# KiCad board AICORS_PCB.kicad_pcb (continued)
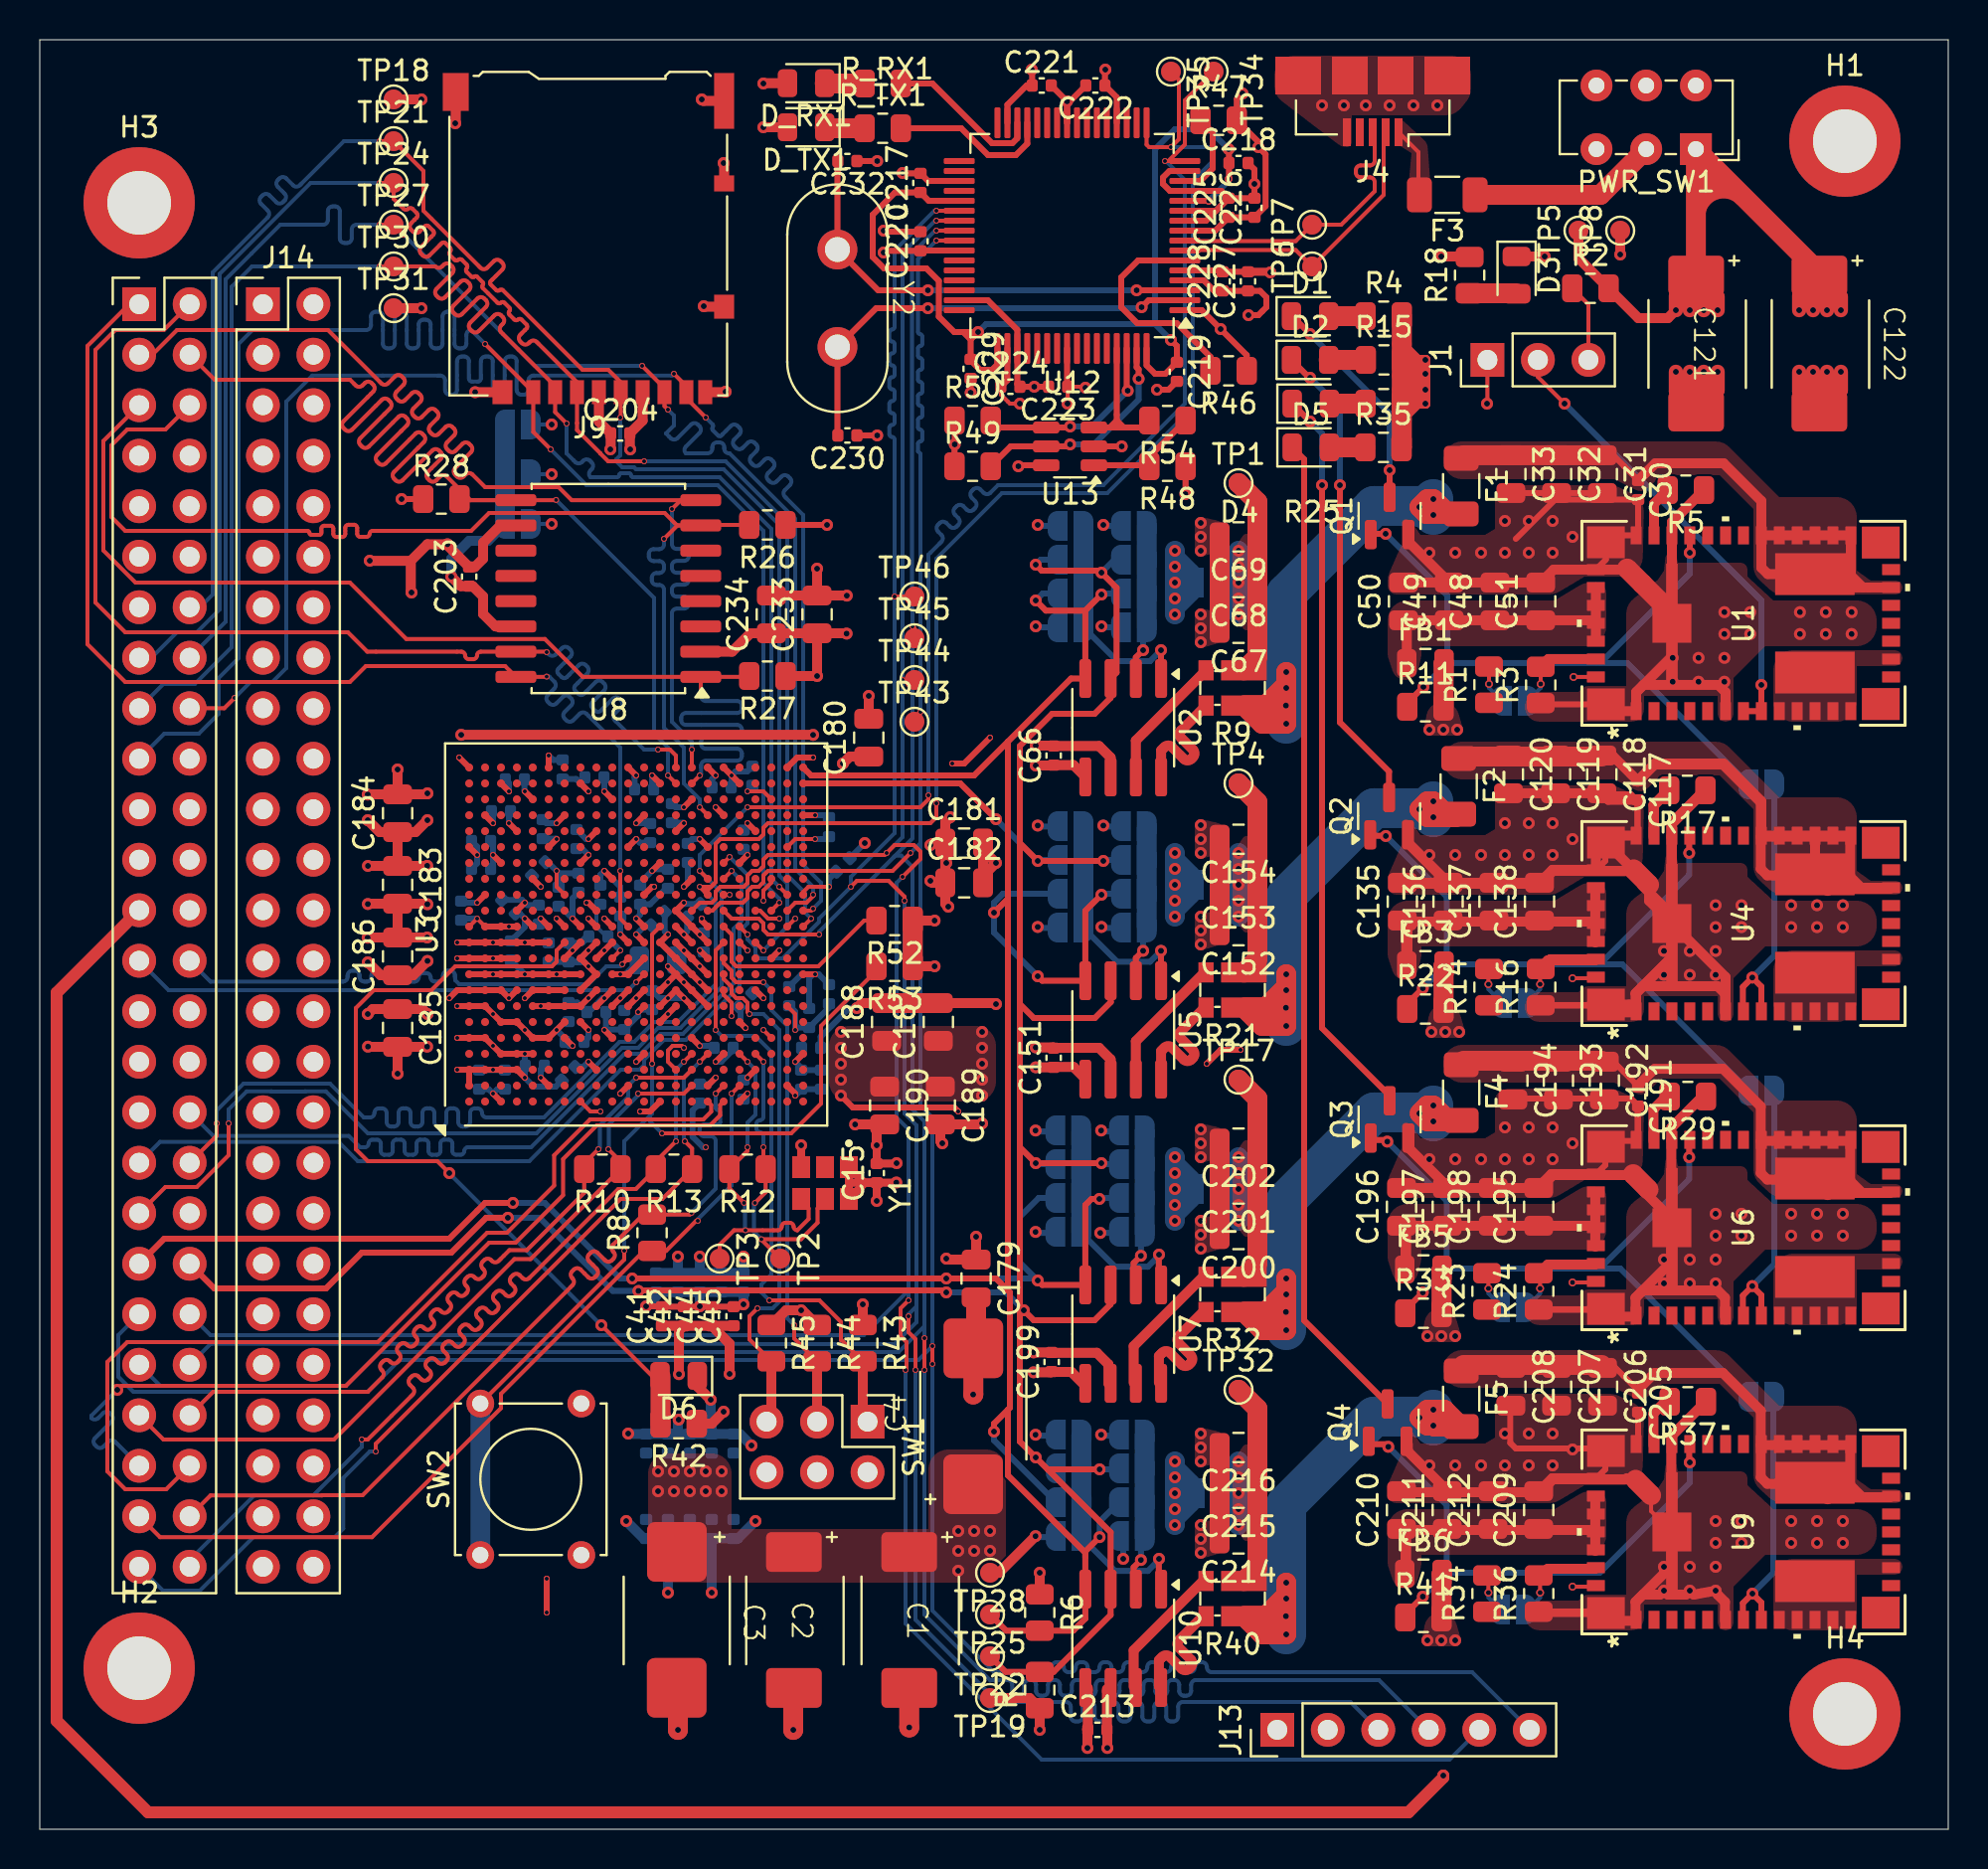
[diagram p0: board, top side]
## Placement (name value [footprint] x y rotation side) (continued)
C234  22uF  [C_0805_2012Metric]  36.8 61.1 90 top
D1  GREEN_LED  [LED_0805_2012Metric]  63.9 76.1 0 top
D2  GREEN_LED  [LED_0805_2012Metric]  63.9 73.9 0 top
D3  GREEN_LED  [LED_0805_2012Metric]  74.29 78.16 270 top
D4  GREEN_LED  [LED_0805_2012Metric]  63.94 71.7 0 top
D5  GREEN_LED  [LED_0805_2012Metric]  63.94 69.5 0 top
D6  GREEN_LED  [LED_0805_2012Metric]  32.14 22.8 180 top
D_RX1  GREEN_LED  [LED_0805_2012Metric]  38.55 87.82 180 top
D_TX1  GREEN_LED  [LED_0805_2012Metric]  38.55 85.6 180 top
F1  SF-1206F400-2  [Fuse_1206_3216Metric]  71.5 67.55 270 top
F2  SF-1206F400-2  [Fuse_1206_3216Metric]  71.38 52.45 270 top
F3  SF-1206F400-2  [Fuse_1206_3216Metric]  70.8 82.2 180 top
F4  SF-1206F400-2  [Fuse_1206_3216Metric]  71.5 37.05 270 top
F5  SF-1206F400-2  [Fuse_1206_3216Metric]  71.5 21.65 270 top
FB1  FerriteBead_Small  [Fuse_0805_2012Metric]  69.7 58.65 0 top
FB3  FerriteBead_Small  [Fuse_0805_2012Metric]  69.7 43.45 0 top
FB4  FerriteBead_Small  [Fuse_0805_2012Metric]  31.1 43.7 0 bottom
FB5  FerriteBead_Small  [Fuse_0805_2012Metric]  69.6 28.15 0 top
FB6  FerriteBead_Small  [Fuse_0805_2012Metric]  69.6 12.85 0 top
H1  MountingHole  [MountingHole_3.2mm_M3_DIN965_Pad_TopBottom]  90.8 84.9 0 top
H2  MountingHole  [MountingHole_3.2mm_M3_DIN965_Pad_TopBottom]  5 8.1 0 top
H3  MountingHole  [MountingHole_3.2mm_M3_DIN965_Pad_TopBottom]  5 81.8 0 top
H4  MountingHole  [MountingHole_3.2mm_M3_DIN965_Pad_TopBottom]  90.8 5.8 0 top
J1  Conn_01x03  [PinHeader_1x03_P2.54mm_Vertical]  72.82 73.9 90 top
J2  SW_Rotary_1x4_MP  [1-to-4 SolderJumper]  52.5 63.85 270 bottom
J3  SW_Rotary_1x4_MP  [1-to-4 SolderJumper]  55.69 63.85 270 bottom
J4  USB Micro Type B  [USB_Micro-B_Amphenol_10104110_Horizontal]  67.05 86.9 180 top
J5  SW_Rotary_1x4_MP  [1-to-4 SolderJumper]  52.5 48.75 270 bottom
J6  SW_Rotary_1x4_MP  [1-to-4 SolderJumper]  55.69 48.75 270 bottom
J7  SW_Rotary_1x4_MP  [1-to-4 SolderJumper]  52.39 33.45 270 bottom
J8  SW_Rotary_1x4_MP  [1-to-4 SolderJumper]  55.59 33.45 270 bottom
J9  DM3AT-SF-PEJM5  [microSD_HC_Hirose_DM3AT-SF-PEJM5]  27.6 80 180 top
J10  Conn_02x26_Counter_Clockwise  [PinHeader_2x26_P2.54mm_Vertical]  5 76.7 0 top
J11  SW_Rotary_1x4_MP  [1-to-4 SolderJumper]  52.41 18.15 270 bottom
J12  SW_Rotary_1x4_MP  [1-to-4 SolderJumper]  55.59 18.15 270 bottom
J13  JTAG_CONN  [PinHeader_1x06_P2.54mm_Vertical]  62.25 5 90 top
J14  Conn_02x26_Counter_Clockwise  [PinHeader_2x26_P2.54mm_Vertical]  11.23 76.7 0 top
JP1  SolderJumper_2_Open  [SolderJumper-2_P1.3mm_Open_RoundedPad1.0x1.5mm]  74.2 56.75 180 bottom
JP2  SolderJumper_2_Open  [SolderJumper-2_P1.3mm_Open_RoundedPad1.0x1.5mm]  58.7 62.7 180 bottom
JP3  SolderJumper_2_Open  [SolderJumper-2_P1.3mm_Open_RoundedPad1.0x1.5mm]  86.6 52.55 180 bottom
JP4  SolderJumper_2_Open  [SolderJumper-2_P1.3mm_Open_RoundedPad1.0x1.5mm]  74.2 41.55 180 bottom
JP5  SolderJumper_2_Open  [SolderJumper-2_P1.3mm_Open_RoundedPad1.0x1.5mm]  58.7 47.5 180 bottom
JP6  SolderJumper_2_Open  [SolderJumper-2_P1.3mm_Open_RoundedPad1.0x1.5mm]  86.6 37.15 180 bottom
JP7  SolderJumper_2_Open  [SolderJumper-2_P1.3mm_Open_RoundedPad1.0x1.5mm]  74.1 26.25 180 bottom
JP8  SolderJumper_2_Open  [SolderJumper-2_P1.3mm_Open_RoundedPad1.0x1.5mm]  24.05 65.65 0 bottom
JP9  SolderJumper_2_Open  [SolderJumper-2_P1.3mm_Open_RoundedPad1.0x1.5mm]  24.05 68.15 0 bottom
JP10  SolderJumper_2_Open  [SolderJumper-2_P1.3mm_Open_RoundedPad1.0x1.5mm]  24.05 70.65 0 bottom
JP11  SolderJumper_2_Open  [SolderJumper-2_P1.3mm_Open_RoundedPad1.0x1.5mm]  58.7 32.2 180 bottom
JP12  SolderJumper_2_Open  [SolderJumper-2_P1.3mm_Open_RoundedPad1.0x1.5mm]  86.6 21.75 180 bottom
JP13  SolderJumper_2_Open  [SolderJumper-2_P1.3mm_Open_RoundedPad1.0x1.5mm]  74.1 11.05 180 bottom
JP14  SolderJumper_2_Open  [SolderJumper-2_P1.3mm_Open_RoundedPad1.0x1.5mm]  58.75 16.9 180 bottom
NT1  SHORT  [NetTie-2_SMD_Pad2.0mm]  80.2 63.05 315 top
NT3  SHORT  [NetTie-2_SMD_Pad2.0mm#2]  80.6 47.85 315 top
NT5  SHORT  [NetTie-2_SMD_Pad2.0mm#3]  80.5 32.45 315 top
NT6  SHORT  [NetTie-2_SMD_Pad2.0mm#2]  80.7 17.15 315 top
PWR_SW1  SW_SPDT  [SW_E-Switch_EG1271_SPDT]  83.31 84.5 180 top
Q1  FDV301N  [SOT-23]  67.9 66.05 90 top
Q2  FDV301N  [SOT-23]  67.88 50.95 90 top
Q3  FDV301N  [SOT-23]  67.9 35.7 90 top
Q4  FDV301N  [SOT-23]  67.8 20.45 90 top
R1  ?  [R_0805_2012Metric]  72.9 57.57 90 top
R2  10k  [R_0805_2012Metric]  78 77.5 0 top
R3  453  [R_0805_2012Metric]  75.5 57.55 90 top
R4  1K  [R_0805_2012Metric]  67.6 76.1 0 top
R5  158k  [R_0805_2012Metric]  82.8 67.35 180 top
R6  3.3k  [R_0805_2012Metric]  50.3 10.9 270 top
R7  3.3k  [R_0805_2012Metric]  50.3 7 90 top
R8  100  [R_0805_2012Metric]  30.8 30 90 top
R9  0.003  [R_Shunt_Vishay_WSKW0612]  60 57.4 180 top
R10  100  [R_0805_2012Metric]  28.3 33.2 180 top
R11  10k  [R_0805_2012Metric]  69.7 56.45 0 top
R12  100  [R_0805_2012Metric]  35.6 33.2 180 top
R13  100  [R_0805_2012Metric]  31.9 33.2 180 top
R14  ?  [R_0805_2012Metric]  72.9 42.35 90 top
R15  1K  [R_0805_2012Metric]  67.61 73.9 0 top
R16  665  [R_0805_2012Metric]  75.5 42.35 90 top
R17  324k  [R_0805_2012Metric]  82.88 52.25 180 top
R18  1K  [R_0805_2012Metric]  71.93 78.16 90 top
R21  0.003  [R_Shunt_Vishay_WSKW0612]  60 42.21 180 top
R22  10k  [R_0805_2012Metric]  69.7 41.25 0 top
R23  ?  [R_0805_2012Metric]  72.8 27.05 90 top
R24  1.13k  [R_0805_2012Metric]  75.4 27.05 90 top
R25  1K  [R_0805_2012Metric]  67.6 71.7 0 top
R26  4.7k  [R_0805_2012Metric]  36.6 65.6 180 top
R27  4.7k  [R_0805_2012Metric]  36.6 58 180 top
R28  4.7k  [R_0805_2012Metric]  20.2 66.9 0 top
R29  324k  [R_0805_2012Metric]  82.9 36.85 180 top
R32  0.003  [R_Shunt_Vishay_WSKW0612]  60 26.9 180 top
R33  10k  [R_0805_2012Metric]  69.6 25.95 0 top
R34  ?  [R_0805_2012Metric]  72.8 11.85 90 top
R35  1K  [R_0805_2012Metric]  67.59 69.5 0 top
R36  5.76  [R_0805_2012Metric]  75.4 11.85 90 top
R37  OPEN  [R_0805_2012Metric]  82.9 21.5 180 top  (not fitted)
R40  0.003  [R_Shunt_Vishay_WSKW0612]  60 11.6 180 top
R41  10k  [R_0805_2012Metric]  69.6 10.65 0 top
R42  330  [R_0805_2012Metric]  32.14 20.4 180 top
R43  1K  [R_0805_2012Metric]  41.4 24.45 270 top
R44  1K  [R_0805_2012Metric]  39.1 24.45 270 top
R45  1K  [R_0805_2012Metric]  36.8 24.45 270 top
R46  12k  [R_0805_2012Metric]  59.8 73.35 180 top
R47  1K  [R_0805_2012Metric]  59.3 85.95 0 top
R48  10k  [R_0805_2012Metric]  56.73 68.55 180 top
R49  10k  [R_0805_2012Metric]  46.93 68.55 0 top
R50  10k  [R_0805_2012Metric]  46.93 70.85 0 top
R52  4.7k  [R_0805_2012Metric]  43 45.7 180 top
R53  4.7k  [R_0805_2012Metric]  43 43.4 180 top
R54  2K  [R_0805_2012Metric]  56.73 70.85 180 top
R_RX1  330  [R_0805_2012Metric]  42.4 87.8 0 top
R_TX1  330  [R_0805_2012Metric]  42.4 85.55 0 top
SW1  SW_DIP_x03  [PinHeader_2x03_P2.54mm_Vertical]  41.64 20.5 270 top
SW2  RESET_SW  [SW_Tactile_Straight_KSA0Axx1LFTR]  22.16 13.79 90 top
TP1  3.3V  [TestPoint_Pad_D1.0mm]  60.3 67.7 0 top
TP2  CLK-  [TestPoint_Pad_D1.0mm]  37.25 28.7 270 top
TP3  CLK+  [TestPoint_Pad_D1.0mm]  34.2 28.7 270 top
TP4  2.5V  [TestPoint_Pad_D1.0mm]  60.3 52.6 0 top
TP5  5V  [TestPoint_Pad_D1.0mm]  77.4 80.4 90 top
TP6  USB-  [TestPoint_Pad_D1.0mm]  64 78.6 90 top
TP7  USB+  [TestPoint_Pad_D1.0mm]  64 80.7 90 top
TP8  GND  [TestPoint_Pad_D1.0mm]  79.5 80.4 90 top
TP17  1.8V  [TestPoint_Pad_D1.0mm]  60.3 37.7 0 top
TP18  3.3V  [TestPoint_Pad_D1.0mm]  17.8 87 0 top
TP19  3.3V  [TestPoint_Pad_D1.0mm]  47.8 6.6 180 top
TP21  SCK  [TestPoint_Pad_D1.0mm]  17.8 84.9 0 top
TP22  SDA  [TestPoint_Pad_D1.0mm]  47.8 8.7 180 top
TP24  MOSI_IO0  [TestPoint_Pad_D1.0mm]  17.8 82.8 0 top
TP25  SCL  [TestPoint_Pad_D1.0mm]  47.8 10.8 180 top
TP27  MISO_IO1  [TestPoint_Pad_D1.0mm]  17.8 80.7 0 top
TP28  GND  [TestPoint_Pad_D1.0mm]  47.8 12.9 180 top
TP30  CS  [TestPoint_Pad_D1.0mm]  17.8 78.6 0 top
TP31  GND  [TestPoint_Pad_D1.0mm]  17.8 76.5 0 top
TP32  1V  [TestPoint_Pad_D1.0mm]  60.3 22.1 0 top
TP34  TX_1  [TestPoint_Pad_D1.0mm]  59.05 88.4 270 top
TP35  RX_1  [TestPoint_Pad_D1.0mm]  56.9 88.4 270 top
TP43  TMS  [TestPoint_Pad_D1.0mm]  44 55.7 0 top
TP44  TDI  [TestPoint_Pad_D1.0mm]  44 57.8 0 top
TP45  TDO  [TestPoint_Pad_D1.0mm]  44 59.9 0 top
TP46  TCK  [TestPoint_Pad_D1.0mm]  44 62 0 top
U1  TPS84320RUQR  [TPS84320]  85.7 60.65 90 top
U2  INA219BxD  [SOIC-8_3.9x4.9mm_P1.27mm]  54.5 55.4 270 top
U3  XC7A200T-SBG484  [Xilinx_SBG484]  30 45 90 top
U4  TPS84320RUQR  [TPS84320]  85.7 45.55 90 top
U5  INA219BxD  [SOIC-8_3.9x4.9mm_P1.27mm]  54.5 40.2 270 top
U6  TPS84320RUQR  [TPS84320]  85.7 30.25 90 top
U7  INA219BxD  [SOIC-8_3.9x4.9mm_P1.27mm]  54.5 24.9 270 top
U8  S25FL256LAGMFI003 / S25FL512SAGMFV010  [SOIC-16W_7.5x10.3mm_P1.27mm]  28.6 62.4 180 top
U9  TPS84320RUQR  [TPS84320]  85.7 14.95 90 top
U10  INA219BxD  [SOIC-8_3.9x4.9mm_P1.27mm]  54.5 9.6 270 top
U12  FT2232HL  [LQFP-64_10x10mm_P0.5mm]  51.93 80.15 180 top
U13  93LC56BT-I/OT  [SOT-23-6]  51.82 69.55 180 top
Y1  AX3DAF1-100.0000T  [XTAL_AX3DAF1-100.0000T]  39.5 32.5 270 top
Y2  -  [ABL-12.000MHz-B4Y]  40.23 77 270 top

## Library data of the parts
C1 C2 C121 C122 = -: Description: 10TPC100MT; ki_fp_filters: CP_*
C3 C4 = -: Description: 4TPF680MZH; ki_fp_filters: CP_*
C15 C30 C66 C117 C151 C191 C199 C203-C205 C213 C217-C224 C226 C228 C231 = -: Description: GRM152R61A104KE19D; ki_fp_filters: C_*
C16-C29 C88-C94 C106-C110 C139-C144 C167-C172 C225 C227 C229 = -: Description: GRM155R61A475MEAAD; ki_fp_filters: C_*
C31-C33 C48 C49 C67-C69 C118-C120 C135 C136 C152-C154 C179-C190 C192-C196 C200-C202 C206-C210 C214-C216 C233 = -: Description: GRM21BR61A476ME15L; ki_fp_filters: C_*
C34-C47 C86 C87 C95-C99 C123-C128 C155-C160 = -: Description: GRM155R71A474KE01J; ki_fp_filters: C_*
C50 C51 C137 C138 C197 C198 C211 C212 C234 = -: Description: GRM21BC81C226ME44L; ki_fp_filters: C_*
C230 C232 = -: Description: GCM1555C1H180JA16D; ki_fp_filters: C_*
D1-D6 D_RX1 D_TX1 = -: Description: HSMQ-C170-T0000; ki_fp_filters: LED* LED_SMD:* LED_THT:*
F1-F5 = -: Description: Fuse; ki_fp_filters: *Fuse*
FB1 FB3-FB6 = -: Description: MPZ2012S101AT000; ki_fp_filters: Inductor_* L_* *Ferrite*
H1-H4 = -: Description: Mounting Hole without connection; ki_fp_filters: MountingHole*Pad*
J1 = -: Description: Generic connector, single row, 01x03, script generated (kicad-library-utils/schlib/autogen/connector/); ki_fp_filters: Connector*:*_1x??_*
J2 J3 J5-J8 J11 J12 = -: Description: Rotary switch 1x4, SP4T with mount point
J4 = -: Description: 10104110-0001LF; ki_fp_filters: USB*
J9 = -: Datasheet: https://www.hirose.com/product/en/download_file/key_name/DM3/category/Catalog/doc_file_id/49662/?file_category_id=4&item_id=195&is_series=1; Description: Micro SD Card Socket with card detection pins; ki_fp_filters: microSD*
J10 J14 = -: Description: ESQ-126-39-G-D; ki_fp_filters: Connector*:*_2x??_*
J13 = -: Description: Generic connector, single row, 01x06, script generated (kicad-library-utils/schlib/autogen/connector/); ki_fp_filters: Connector*:*_1x??_*
JP1-JP14 = -: Description: Solder Jumper, 2-pole, open; ki_fp_filters: SolderJumper*Open*
NT1 NT3 NT5 NT6 = -: Description: Net tie, 2 pins; ki_fp_filters: Net*Tie*
PWR_SW1 = -: Description: 500SSP1S1M6QEA
Q1-Q4 = -: Datasheet: http://www.diodes.com/assets/Datasheets/ds31898.pdf; Description: 0.5A Id, 50V Vds, N-Channel MOSFET, SOT-23; ki_fp_filters: SOT?23*
R1 R14 R23 R34 = -: Description: Resistor; ki_fp_filters: R_*
R2 R11 R22 R33 R41 R48-R50 = -: Description: RC0805FR-0710KL; ki_fp_filters: R_*
R3 R42 R_RX1 R_TX1 = -: Description: RC0805FR-07330RL; ki_fp_filters: R_*
R4 R15 R18 R25 R35 R43-R45 R47 R54 = -: Description: RC0805FR-071KL; ki_fp_filters: R_*
R5 = -: Description: RT0805FRE07121KL; ki_fp_filters: R_*
R6 R7 = -: Description: AC0805FR-073K3L; ki_fp_filters: R_*
R8 R10 R12 R13 = -: Description: RC0805FR-07100RL; ki_fp_filters: R_*
R9 R21 R32 R40 = -: Description: WSKW06123L000FEA; ki_fp_filters: R_*Shunt*
R16 = -: Description: RC0805FR-07453RL; ki_fp_filters: R_*
R17 = -: Description: RC0805FR-07165KL; ki_fp_filters: R_*
R24 = -: Description: RT0805FRE07715RL; ki_fp_filters: R_*
R26-R28 R52 R53 = -: Description: RC0805FR-074K7L; ki_fp_filters: R_*
R29 = -: Description: AC0805FR-07200KL; ki_fp_filters: R_*
R36 = -: Description: RC0805FR-072K15L; ki_fp_filters: R_*
R37 = -: Description: AC0805FR-07261KL; ki_fp_filters: R_*
R46 = -: Description: RC0805FR-1312KL; ki_fp_filters: R_*
SW1 = -: Description: 3x DIP Switch, Single Pole Single Throw (SPST) switch, small symbol
SW2 = -: Description: TS02-66-60-BK-100-SCR-D
TP1-TP8 TP17-TP19 TP21 TP22 TP24 TP25 TP27 TP28 TP30-TP32 TP34 TP35 TP43-TP46 = -: Description: test point; ki_fp_filters: Pin* Test*
U1 U4 U6 U9 = -: ki_fp_filters: RUQ_47
U2 U5 U7 U10 = -: Datasheet: http://www.ti.com/lit/ds/symlink/ina219.pdf; Description: Zero-Drift, HighAccuracy, Bidirectional Current/Power Monitor (0-26V) With I2C Interface, SOIC-8; ki_fp_filters: SOIC*3.9x4.9mm*P1.27mm*
U3 = -: Description: Artix 7 T 200 XC7A200T-SBG484
U12 = -: Datasheet: https://www.ftdichip.com/Support/Documents/DataSheets/ICs/DS_FT2232H.pdf; Description: Hi Speed Double Channel USB UART/FIFO, LQFP-64; ki_fp_filters: LQFP*10x10mm*P0.5mm*
U13 = -: Datasheet: http://ww1.microchip.com/downloads/en/DeviceDoc/20001749K.pdf; Description: Serial EEPROM, 93 Series, 5.0V, DIP-8/SOIC-8
Y1 = -: PARTREV: 02-08-22; STANDARD: Manufacturer Recommendations; MAXIMUM_PACKAGE_HEIGHT: 1.10mm; MANUFACTURER: Abracon
Y2 = -: Description: Two pin crystal; ki_fp_filters: Crystal*

## Footprints (pads in the part's own frame, mm; a bottom-side part is the same pattern mirrored in y, then rotated)
1-to-4 SolderJumper
  custom 1.5x1 smd: 1(-1.7,1.3) 2(0,1.3) 3(1.7,1.3) 4(3.4,1.3) 5(-1.7,0) 5(0,0) 5(1.7,0) 5(3.4,0)
ABL-12.000MHz-B4Y
  round 2 hole 1.25: 1(-2.45,-0.1) 2(2.45,-0.1)
C_0402_1005Metric
  rrect 0.56x0.62 smd: 1(-0.48,0) 2(0.48,0)
C_0805_2012Metric
  rrect 1x1.45 smd: 1(-0.95,0) 2(0.95,0)
Fuse_0805_2012Metric
  rrect 0.975x1.4 smd: 1(-0.938,0) 2(0.938,0)
Fuse_1206_3216Metric
  rrect 1.25x1.75 smd: 1(-1.4,0) 2(1.4,0)
LED_0805_2012Metric
  rrect 0.975x1.4 smd: 1(-0.938,0) 2(0.938,0)
LQFP-64_10x10mm_P0.5mm
  rrect 1.55x0.3 smd: 1(-5.675,3.75) 2(-5.675,3.25) 3(-5.675,2.75) 4(-5.675,2.25) 5(-5.675,1.75) 6(-5.675,1.25) 7(-5.675,0.75) 8(-5.675,0.25) 9(-5.675,-0.25) 10(-5.675,-0.75) 11(-5.675,-1.25) 12(-5.675,-1.75) 13(-5.675,-2.25) 14(-5.675,-2.75) 15(-5.675,-3.25) 16(-5.675,-3.75) 33(5.675,-3.75) 34(5.675,-3.25) 35(5.675,-2.75) 36(5.675,-2.25) 37(5.675,-1.75) 38(5.675,-1.25) 39(5.675,-0.75) 40(5.675,-0.25) 41(5.675,0.25) 42(5.675,0.75) 43(5.675,1.25) 44(5.675,1.75) 45(5.675,2.25) 46(5.675,2.75) 47(5.675,3.25) 48(5.675,3.75)
  rrect 0.3x1.55 smd: 17(-3.75,-5.675) 18(-3.25,-5.675) 19(-2.75,-5.675) 20(-2.25,-5.675) 21(-1.75,-5.675) 22(-1.25,-5.675) 23(-0.75,-5.675) 24(-0.25,-5.675) 25(0.25,-5.675) 26(0.75,-5.675) 27(1.25,-5.675) 28(1.75,-5.675) 29(2.25,-5.675) 30(2.75,-5.675) 31(3.25,-5.675) 32(3.75,-5.675) 49(3.75,5.675) 50(3.25,5.675) 51(2.75,5.675) 52(2.25,5.675) 53(1.75,5.675) 54(1.25,5.675) 55(0.75,5.675) 56(0.25,5.675) 57(-0.25,5.675) 58(-0.75,5.675) 59(-1.25,5.675) 60(-1.75,5.675) 61(-2.25,5.675) 62(-2.75,5.675) 63(-3.25,5.675) 64(-3.75,5.675)
microSD_HC_Hirose_DM3AT-SF-PEJM5
  rect 0.7x1.2 smd: 1(2.775,7.725) 2(1.675,7.725) 3(0.575,7.725) 4(-0.525,7.725) 5(-1.625,7.725) 6(-2.725,7.725) 7(-3.825,7.725) 8(-4.925,7.725) 9(-5.875,7.725)
  rect 1x0.8 smd: 10(-6.825,-2.775)
  rect 1x1.2 smd: 11(-6.825,3.425) 11(4.325,7.725)
  rect 1x2.8 smd: 11(-6.825,-6.925)
  rect 1.3x1.9 smd: 11(6.675,-7.375)
MountingHole_3.2mm_M3_DIN965_Pad_TopBottom
  round 3.6 hole 3.2: 1(0,0)
  round 5.6 smd: 1(0,0)
  round 5.6 smd far side: 1(0,0)
NetTie-2_SMD_Pad2.0mm
  round 1 smd: 1(-0.5,0) 2(0.6,0)
NetTie-2_SMD_Pad2.0mm#2
  round 1 smd: 1(-0.6,0) 2(0.5,0)
NetTie-2_SMD_Pad2.0mm#3
  round 1 smd: 1(-0.6,0.1) 2(0.5,0.1)
Panasonic_D2 Tantalum Capacitor
  rrect 2x2.8 smd: 1(-3.45,0.1) 2(3.388,0.1)
Panasonic_D4 Tantalum Capacitor
  rrect 3x3 smd: 1(-3.45,-0.05) 2(3.388,-0.06)
PinHeader_1x03_P2.54mm_Vertical
  rect 1.7x1.7 hole 1: 1(0,0)
  oval 1.7x1.7 hole 1: 2(0,-2.54) 3(0,-5.08)
PinHeader_1x06_P2.54mm_Vertical
  rect 1.7x1.7 hole 1: 1(0,0)
  oval 1.7x1.7 hole 1: 2(0,-2.54) 3(0,-5.08) 4(0,-7.62) 5(0,-10.16) 6(0,-12.7)
PinHeader_2x03_P2.54mm_Vertical
  rect 1.7x1.7 hole 1: 1(0,0)
  oval 1.7x1.7 hole 1: 2(2.54,0) 3(0,-2.54) 4(2.54,-2.54) 5(0,-5.08) 6(2.54,-5.08)
PinHeader_2x26_P2.54mm_Vertical
  rect 1.7x1.7 hole 1: 1(0,0)
  oval 1.7x1.7 hole 1: 2(2.54,0) 3(0,-2.54) 4(2.54,-2.54) 5(0,-5.08) 6(2.54,-5.08) 7(0,-7.62) 8(2.54,-7.62) 9(0,-10.16) 10(2.54,-10.16) 11(0,-12.7) 12(2.54,-12.7) 13(0,-15.24) 14(2.54,-15.24) 15(0,-17.78) 16(2.54,-17.78) 17(0,-20.32) 18(2.54,-20.32) 19(0,-22.86) 20(2.54,-22.86) 21(0,-25.4) 22(2.54,-25.4) 23(0,-27.94) 24(2.54,-27.94) 25(0,-30.48) 26(2.54,-30.48) 27(0,-33.02) 28(2.54,-33.02) 29(0,-35.56) 30(2.54,-35.56) 31(0,-38.1) 32(2.54,-38.1) 33(0,-40.64) 34(2.54,-40.64) 35(0,-43.18) 36(2.54,-43.18) 37(0,-45.72) 38(2.54,-45.72) 39(0,-48.26) 40(2.54,-48.26) 41(0,-50.8) 42(2.54,-50.8) 43(0,-53.34) 44(2.54,-53.34) 45(0,-55.88) 46(2.54,-55.88) 47(0,-58.42) 48(2.54,-58.42) 49(0,-60.96) 50(2.54,-60.96) 51(0,-63.5) 52(2.54,-63.5)
R_0805_2012Metric
  rrect 1.025x1.4 smd: 1(-0.912,0) 2(0.912,0)
R_Shunt_Vishay_WSKW0612
  rect 2.287x1.01 smd: 1(-0.572,0.885) 4(-0.572,-0.885)
  rect 0.762x1.01 smd: 2(1.334,0.885) 3(1.334,-0.885)
SOIC-8_3.9x4.9mm_P1.27mm
  rrect 1.95x0.6 smd: 1(-2.475,1.905) 2(-2.475,0.635) 3(-2.475,-0.635) 4(-2.475,-1.905) 5(2.475,-1.905) 6(2.475,-0.635) 7(2.475,0.635) 8(2.475,1.905)
SOIC-16W_7.5x10.3mm_P1.27mm
  rrect 2.05x0.6 smd: 1(-4.65,4.445) 2(-4.65,3.175) 3(-4.65,1.905) 4(-4.65,0.635) 5(-4.65,-0.635) 6(-4.65,-1.905) 7(-4.65,-3.175) 8(-4.65,-4.445) 9(4.65,-4.445) 10(4.65,-3.175) 11(4.65,-1.905) 12(4.65,-0.635) 13(4.65,0.635) 14(4.65,1.905) 15(4.65,3.175) 16(4.65,4.445)
SolderJumper-2_P1.3mm_Open_RoundedPad1.0x1.5mm
  custom 1x1.5 smd: 1(-0.65,0) 2(0.65,0)
SOT-23
  rrect 1.475x0.6 smd: 1(-0.938,0.95) 2(-0.938,-0.95) 3(0.938,0)
SOT-23-6
  rrect 1.325x0.6 smd: 1(-1.2,0.95) 2(-1.2,0) 3(-1.2,-0.95) 4(1.2,-0.95) 5(1.2,0) 6(1.2,0.95)
SW_E-Switch_EG1271_SPDT
  rect 1.6x1.6 hole 0.8: 1(0,0)
  round 1.6 hole 0.8: 2(2.5,0) 3(5,0) 4(0,-3.2) 5(2.5,-3.2) 6(5,-3.2)
SW_Tactile_Straight_KSA0Axx1LFTR
  round 1.397 hole 0.813: 1(0,0) 1(7.62,0) 2(0,-5.08) 2(7.62,-5.08)
TestPoint_Pad_D1.0mm
  round 1 smd: 1(0,0)
TPS84320
  rect 1.6x1.9 smd: 1(-4.077,6.92) 15(-4.062,-6.906) 23(4.06,-6.906) 37(4.074,6.92)
  rect 0.9x0.55 smd: 2(-4.42,5.4) 3(-4.42,4.5) 4(-4.42,3.6) 5(-4.42,2.7) 6(-4.42,1.8) 7(-4.42,0.9) 8(-4.42,0) 9(-4.42,-0.9) 10(-4.42,-1.8) 11(-4.42,-2.7) 12(-4.42,-3.6) 13(-4.42,-4.5) 14(-4.42,-5.4) 24(4.42,-5.4) 25(4.42,-4.5) 26(4.42,-3.6) 27(4.42,-2.7) 28(4.42,-1.8) 29(4.42,-0.9) 30(4.42,0) 31(4.42,0.9) 32(4.42,1.8) 33(4.42,2.7) 34(4.42,3.6) 35(4.42,4.5) 36(4.42,5.4)
  rect 0.55x0.9 smd: 16(-2.7,-7.425) 17(-1.8,-7.425) 18(-0.9,-7.425) 19(0,-7.425) 20(0.9,-7.425) 21(1.8,-7.425) 22(2.7,-7.425) 38(2.7,7.425) 39(1.8,7.425) 40(0.9,7.425) 41(0,7.425) 42(-0.9,7.425) 43(-1.8,7.425) 44(-2.7,7.425)
  rect 1.954x1.96 smd: 45(0,3.602)
  rect 6x0.583 smd: 45(0,3.6)
  rect 2.1x4 smd: 46(-2.475,-3.595) 47(2.475,-3.593)
USB_Micro-B_Amphenol_10104110_Horizontal
  rect 0.4x1.4 smd: 1(-1.3,1.55) 2(-0.65,1.55) 3(0,1.55) 4(0.65,1.55) 5(1.3,1.55)
  rect 2.3x1.9 smd: 6(-3.75,-1.3) 6(3.75,-1.3)
  rect 1.8x1.9 smd: 6(-1.15,-1.3) 6(1.15,-1.3)
Xilinx_SBG484
  round 0.4 smd: A1(-8.4,8.4) A2(-7.6,8.4) A3(-6.8,8.4) A4(-6,8.4) A5(-5.2,8.4) A6(-4.4,8.4) A7(-3.6,8.4) A8(-2.8,8.4) A9(-2,8.4) A10(-1.2,8.4) A11(-0.4,8.4) A12(0.4,8.4) A13(1.2,8.4) A14(2,8.4) A15(2.8,8.4) A16(3.6,8.4) A17(4.4,8.4) A18(5.2,8.4) A19(6,8.4) A20(6.8,8.4) A21(7.6,8.4) A22(8.4,8.4) AA1(-8.4,-7.6) AA2(-7.6,-7.6) AA3(-6.8,-7.6) AA4(-6,-7.6) AA5(-5.2,-7.6) AA6(-4.4,-7.6) AA7(-3.6,-7.6) AA8(-2.8,-7.6) AA9(-2,-7.6) AA10(-1.2,-7.6) AA11(-0.4,-7.6) AA12(0.4,-7.6) AA13(1.2,-7.6) AA14(2,-7.6) AA15(2.8,-7.6) AA16(3.6,-7.6) AA17(4.4,-7.6) AA18(5.2,-7.6) AA19(6,-7.6) AA20(6.8,-7.6) AA21(7.6,-7.6) AA22(8.4,-7.6) AB1(-8.4,-8.4) AB2(-7.6,-8.4) AB3(-6.8,-8.4) AB4(-6,-8.4) AB5(-5.2,-8.4) AB6(-4.4,-8.4) AB7(-3.6,-8.4) AB8(-2.8,-8.4) AB9(-2,-8.4) AB10(-1.2,-8.4) AB11(-0.4,-8.4) AB12(0.4,-8.4) AB13(1.2,-8.4) AB14(2,-8.4) AB15(2.8,-8.4) AB16(3.6,-8.4) AB17(4.4,-8.4) AB18(5.2,-8.4) AB19(6,-8.4) AB20(6.8,-8.4) AB21(7.6,-8.4) AB22(8.4,-8.4) B1(-8.4,7.6) B2(-7.6,7.6) B3(-6.8,7.6) B4(-6,7.6) B5(-5.2,7.6) B6(-4.4,7.6) B7(-3.6,7.6) B8(-2.8,7.6) B9(-2,7.6) B10(-1.2,7.6) B11(-0.4,7.6) B12(0.4,7.6) B13(1.2,7.6) B14(2,7.6) B15(2.8,7.6) B16(3.6,7.6) B17(4.4,7.6) B18(5.2,7.6) B19(6,7.6) B20(6.8,7.6) B21(7.6,7.6) B22(8.4,7.6) C1(-8.4,6.8) C2(-7.6,6.8) C3(-6.8,6.8) C4(-6,6.8) C5(-5.2,6.8) C6(-4.4,6.8) C7(-3.6,6.8) C8(-2.8,6.8) C9(-2,6.8) C10(-1.2,6.8) C11(-0.4,6.8) C12(0.4,6.8) C13(1.2,6.8) C14(2,6.8) C15(2.8,6.8) C16(3.6,6.8) C17(4.4,6.8) C18(5.2,6.8) C19(6,6.8) C20(6.8,6.8) C21(7.6,6.8) C22(8.4,6.8) D1(-8.4,6) D2(-7.6,6) D3(-6.8,6) D4(-6,6) D5(-5.2,6) D6(-4.4,6) D7(-3.6,6) D8(-2.8,6) D9(-2,6) D10(-1.2,6) D11(-0.4,6) D12(0.4,6) D13(1.2,6) D14(2,6) D15(2.8,6) D16(3.6,6) D17(4.4,6) D18(5.2,6) D19(6,6) D20(6.8,6) D21(7.6,6) D22(8.4,6) E1(-8.4,5.2) E2(-7.6,5.2) E3(-6.8,5.2) E4(-6,5.2) E5(-5.2,5.2) E6(-4.4,5.2) E7(-3.6,5.2) E8(-2.8,5.2) E9(-2,5.2) E10(-1.2,5.2) E11(-0.4,5.2) E12(0.4,5.2) E13(1.2,5.2) E14(2,5.2) E15(2.8,5.2) E16(3.6,5.2) E17(4.4,5.2) E18(5.2,5.2) E19(6,5.2) E20(6.8,5.2) E21(7.6,5.2) E22(8.4,5.2) F1(-8.4,4.4) F2(-7.6,4.4) F3(-6.8,4.4) F4(-6,4.4) F5(-5.2,4.4) F6(-4.4,4.4) F7(-3.6,4.4) F8(-2.8,4.4) F9(-2,4.4) F10(-1.2,4.4) F11(-0.4,4.4) F12(0.4,4.4) F13(1.2,4.4) F14(2,4.4) F15(2.8,4.4) F16(3.6,4.4) F17(4.4,4.4) F18(5.2,4.4) F19(6,4.4) F20(6.8,4.4) F21(7.6,4.4) F22(8.4,4.4) G1(-8.4,3.6) G2(-7.6,3.6) G3(-6.8,3.6) G4(-6,3.6) G5(-5.2,3.6) G6(-4.4,3.6) G7(-3.6,3.6) G8(-2.8,3.6) G9(-2,3.6) G10(-1.2,3.6) G11(-0.4,3.6) G12(0.4,3.6) G13(1.2,3.6) G14(2,3.6) G15(2.8,3.6) G16(3.6,3.6) G17(4.4,3.6) G18(5.2,3.6) G19(6,3.6) G20(6.8,3.6) G21(7.6,3.6) G22(8.4,3.6) H1(-8.4,2.8) H2(-7.6,2.8) H3(-6.8,2.8) H4(-6,2.8) H5(-5.2,2.8) H6(-4.4,2.8) H7(-3.6,2.8) H8(-2.8,2.8) H9(-2,2.8) H10(-1.2,2.8) H11(-0.4,2.8) H12(0.4,2.8) H13(1.2,2.8) H14(2,2.8) H15(2.8,2.8) H16(3.6,2.8) H17(4.4,2.8) H18(5.2,2.8) H19(6,2.8) H20(6.8,2.8) H21(7.6,2.8) H22(8.4,2.8) J1(-8.4,2) J2(-7.6,2) J3(-6.8,2) J4(-6,2) J5(-5.2,2) J6(-4.4,2) J7(-3.6,2) J8(-2.8,2) J9(-2,2) J10(-1.2,2) J11(-0.4,2) J12(0.4,2) J13(1.2,2) J14(2,2) J15(2.8,2) J16(3.6,2) J17(4.4,2) J18(5.2,2) J19(6,2) J20(6.8,2) J21(7.6,2) J22(8.4,2) K1(-8.4,1.2) K2(-7.6,1.2) K3(-6.8,1.2) K4(-6,1.2) K5(-5.2,1.2) K6(-4.4,1.2) K7(-3.6,1.2) K8(-2.8,1.2) K9(-2,1.2) K10(-1.2,1.2) K11(-0.4,1.2) K12(0.4,1.2) K13(1.2,1.2) K14(2,1.2) K15(2.8,1.2) K16(3.6,1.2) K17(4.4,1.2) K18(5.2,1.2) K19(6,1.2) K20(6.8,1.2) K21(7.6,1.2) K22(8.4,1.2) L1(-8.4,0.4) L2(-7.6,0.4) L3(-6.8,0.4) L4(-6,0.4) L5(-5.2,0.4) L6(-4.4,0.4) L7(-3.6,0.4) L8(-2.8,0.4) L9(-2,0.4) L10(-1.2,0.4) L11(-0.4,0.4) L12(0.4,0.4) L13(1.2,0.4) L14(2,0.4) L15(2.8,0.4) L16(3.6,0.4) L17(4.4,0.4) L18(5.2,0.4) L19(6,0.4) L20(6.8,0.4) L21(7.6,0.4) L22(8.4,0.4) M1(-8.4,-0.4) M2(-7.6,-0.4) M3(-6.8,-0.4) M4(-6,-0.4) M5(-5.2,-0.4) M6(-4.4,-0.4) M7(-3.6,-0.4) M8(-2.8,-0.4) M9(-2,-0.4) M10(-1.2,-0.4) M11(-0.4,-0.4) M12(0.4,-0.4) M13(1.2,-0.4) M14(2,-0.4) M15(2.8,-0.4) M16(3.6,-0.4) M17(4.4,-0.4) M18(5.2,-0.4) M19(6,-0.4) M20(6.8,-0.4) M21(7.6,-0.4) M22(8.4,-0.4) N1(-8.4,-1.2) N2(-7.6,-1.2) N3(-6.8,-1.2) N4(-6,-1.2) N5(-5.2,-1.2) N6(-4.4,-1.2) N7(-3.6,-1.2) N8(-2.8,-1.2) N9(-2,-1.2) N10(-1.2,-1.2) N11(-0.4,-1.2) N12(0.4,-1.2) N13(1.2,-1.2) N14(2,-1.2) N15(2.8,-1.2) N16(3.6,-1.2) N17(4.4,-1.2) N18(5.2,-1.2) N19(6,-1.2) N20(6.8,-1.2) N21(7.6,-1.2) N22(8.4,-1.2) P1(-8.4,-2) P2(-7.6,-2) P3(-6.8,-2) P4(-6,-2) P5(-5.2,-2) P6(-4.4,-2) P7(-3.6,-2) P8(-2.8,-2) P9(-2,-2) P10(-1.2,-2) P11(-0.4,-2) P12(0.4,-2) P13(1.2,-2) P14(2,-2) P15(2.8,-2) P16(3.6,-2) P17(4.4,-2) P18(5.2,-2) P19(6,-2) P20(6.8,-2) P21(7.6,-2) P22(8.4,-2) R1(-8.4,-2.8) R2(-7.6,-2.8) R3(-6.8,-2.8) R4(-6,-2.8) R5(-5.2,-2.8) R6(-4.4,-2.8) R7(-3.6,-2.8) R8(-2.8,-2.8) R9(-2,-2.8) R10(-1.2,-2.8) R11(-0.4,-2.8) R12(0.4,-2.8) R13(1.2,-2.8) R14(2,-2.8) R15(2.8,-2.8) R16(3.6,-2.8) R17(4.4,-2.8) R18(5.2,-2.8) R19(6,-2.8) R20(6.8,-2.8) R21(7.6,-2.8) R22(8.4,-2.8) T1(-8.4,-3.6) T2(-7.6,-3.6) T3(-6.8,-3.6) T4(-6,-3.6) T5(-5.2,-3.6) T6(-4.4,-3.6) T7(-3.6,-3.6) T8(-2.8,-3.6) T9(-2,-3.6) T10(-1.2,-3.6) T11(-0.4,-3.6) T12(0.4,-3.6) T13(1.2,-3.6) T14(2,-3.6) T15(2.8,-3.6) T16(3.6,-3.6) T17(4.4,-3.6) T18(5.2,-3.6) T19(6,-3.6) T20(6.8,-3.6) T21(7.6,-3.6) T22(8.4,-3.6) U1(-8.4,-4.4) U2(-7.6,-4.4) U3(-6.8,-4.4) U4(-6,-4.4) U5(-5.2,-4.4) U6(-4.4,-4.4) U7(-3.6,-4.4) U8(-2.8,-4.4) U9(-2,-4.4) U10(-1.2,-4.4) U11(-0.4,-4.4) U12(0.4,-4.4) U13(1.2,-4.4) U14(2,-4.4) U15(2.8,-4.4) U16(3.6,-4.4) U17(4.4,-4.4) U18(5.2,-4.4) U19(6,-4.4) U20(6.8,-4.4) U21(7.6,-4.4) U22(8.4,-4.4) V1(-8.4,-5.2) V2(-7.6,-5.2) V3(-6.8,-5.2) V4(-6,-5.2) V5(-5.2,-5.2) V6(-4.4,-5.2) V7(-3.6,-5.2) V8(-2.8,-5.2) V9(-2,-5.2) V10(-1.2,-5.2) V11(-0.4,-5.2) V12(0.4,-5.2) V13(1.2,-5.2) V14(2,-5.2) V15(2.8,-5.2) V16(3.6,-5.2) V17(4.4,-5.2) V18(5.2,-5.2) V19(6,-5.2) V20(6.8,-5.2) V21(7.6,-5.2) V22(8.4,-5.2) W1(-8.4,-6) W2(-7.6,-6) W3(-6.8,-6) W4(-6,-6) W5(-5.2,-6) W6(-4.4,-6) W7(-3.6,-6) W8(-2.8,-6) W9(-2,-6) W10(-1.2,-6) W11(-0.4,-6) W12(0.4,-6) W13(1.2,-6) W14(2,-6) W15(2.8,-6) W16(3.6,-6) W17(4.4,-6) W18(5.2,-6) W19(6,-6) W20(6.8,-6) W21(7.6,-6) W22(8.4,-6) Y1(-8.4,-6.8) Y2(-7.6,-6.8) Y3(-6.8,-6.8) Y4(-6,-6.8) Y5(-5.2,-6.8) Y6(-4.4,-6.8) Y7(-3.6,-6.8) Y8(-2.8,-6.8) Y9(-2,-6.8) Y10(-1.2,-6.8) Y11(-0.4,-6.8) Y12(0.4,-6.8) Y13(1.2,-6.8) Y14(2,-6.8) Y15(2.8,-6.8) Y16(3.6,-6.8) Y17(4.4,-6.8) Y18(5.2,-6.8) Y19(6,-6.8) Y20(6.8,-6.8) Y21(7.6,-6.8) Y22(8.4,-6.8)